# Altium PCB micromouse pcb.PcbDoc (part 2 of 2)
Units mil, origin at the board's own origin, x right, y up, seen from the top; angles counter-clockwise.
Board outline 3247.49 x 3543.31 mil, 2 copper layers (Top Layer, Bottom Layer); 164 components, 144 nets, 714 pads, 177 vias.
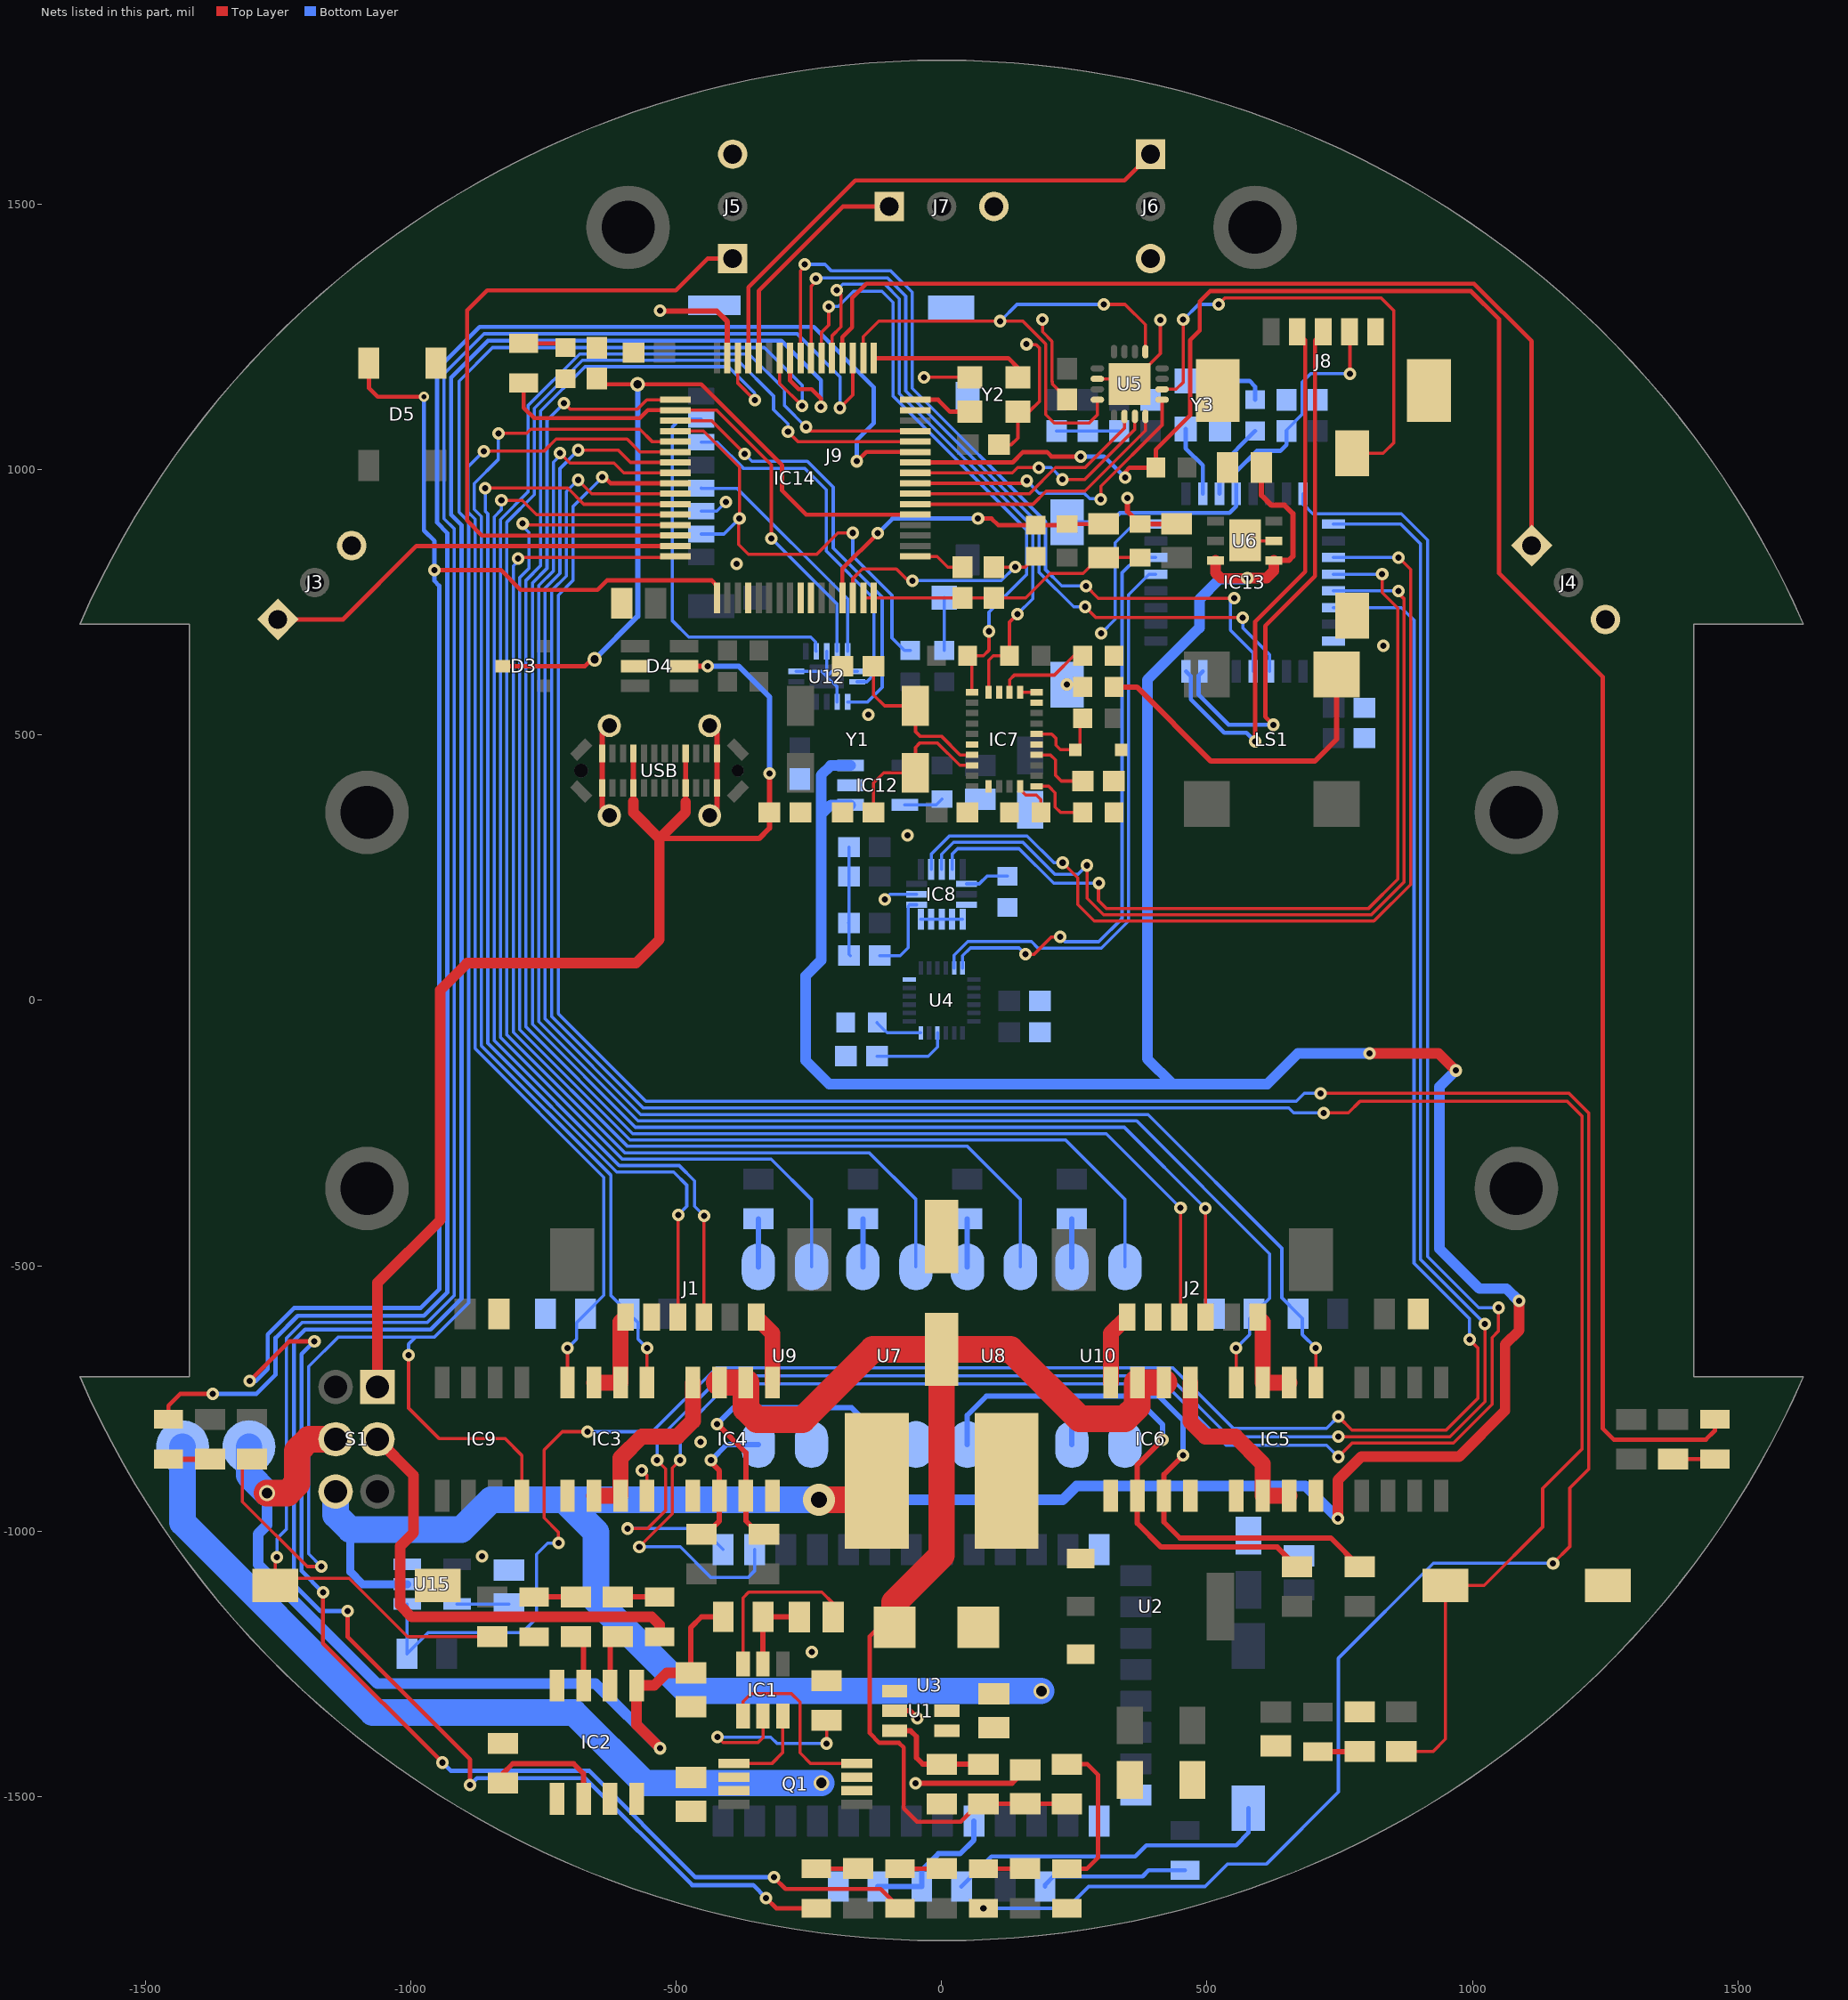
[diagram p2: the nets of this part, all layers, seen from the top]

## Via types
v1: diameter 23.62, hole 11.81, Top Layer to Bottom Layer, 80 vias
v2: diameter 23.62, hole 11.81, Top Layer to Bottom Layer, tented top, 37 vias
v3: diameter 23.62, hole 11.81, Top Layer to Bottom Layer, tented bottom, 27 vias
v4: diameter 23.62, hole 11.81, Top Layer to Bottom Layer, tented both sides, 26 vias
v5: diameter 30, hole 20, Top Layer to Bottom Layer, tented both sides, 3 vias
v6: diameter 27.56, hole 15.75, Top Layer to Bottom Layer, 2 vias
v7: diameter 18.9, hole 9.06, Top Layer to Bottom Layer, tented both sides, 1 vias
v8: diameter 60, hole 30, Top Layer to Bottom Layer, 1 vias

## Nets (pads, with @x,y where several pads share a name; then routed paths per layer and width w, separated by ;. In a path a pad name is that pad's centre, name@x,y a point inside that pad or via, vN(x,y) a via of type N, cw(c..) or ccw(c..) an arc to the next point about the centre after c; other vN are vias at no path point) (continued)
GND: C1.2 C2.2 C4.2 C5.1 C6.2 C7.2 C8.1 C9.1 C10.2 C11.1 C12.2 C13.2 C14.1 C15.1 C16.1 C17.1 C18.1 C19.1 C20.2 C21.2 C22.2 C23.2 C24.1 C25.1 C26.1 C27.1 C28.1 C29.1 C31.1 C34.1 C35.1 C36.1 C37.1 C38.1 C39.1 C40.1 C41.1 C42.1 C43.1 C44.1 C45.1 C46.1 C47.1 D4.2 D5.1 FB5.1 IC2.1 IC2.3 IC3.1 IC3.4 IC4.5 IC4.8 IC5.1 IC5.4 IC6.5 IC6.8 IC7.2 IC7.10 IC7.15 IC7.16 IC7.18 IC7.25 IC8.8 IC8.9 IC8.10 IC8.11 IC8.12 IC8.13 IC8.15 IC12.2 IC13.16 IC13.32 IC14.4 IC14.31 IC14.47 J1.5 J2.5 J3.3 J4.3 J5.3 J6.3 J7.3 J8.5 J8.S1 J8.S2 J9.6 J9.P1 J9.P3 J9.P4 LED3.1 Q1.6 Q1.7 R1.1 R4.2 R8.1 R9.2 R21.1 R22.1 R23.1 R24.1 R33.1 R35.1 R47.1 R48.1 SW1.1 SW2.1 SW4.2 SW5.1 U1.2 U2.1 U3.13 U3.21 U3.22 U4.18 U5.2 U5.17 U6.2 U6.7 U7.3 U8.3 U9.3 U10.3 U12.1 U12.4 U12.7 U12.10 U15.3 USB.1 USB.2 USB.7 USB.8 USB.A1 USB.A12 USB.B1 USB.B12 Y2.2 Y2.4 Y3.2 Y3.4 | length 2880
  Top Layer w6: v2(-565,-885.5) -554.92,-895.58 IC3.4@-554.92,-933.54 ; v4(-33,1174.21) Y2.4@53.15,1174.21 ; C26.1@107.87,1047.24 131.24,1047.24 143.7,1059.7 Y2.2@143.7,1109.25 164.75,1109.25 184.13,1128.63 184.13,1229.37 178,1235.5 161,1235.5 v1(160,1236.5) ; IC7.16@147.64,580.71 IC7.15@179.13,580.71 ; v1(190,1283) 190,1259.88 208.13,1241.76 208.13,1166.35 208.5,1165.98 208.5,1161.38 236.22,1133.66 C28.1@236.22,1132.28 ; v1(236.22,595.03) 261.27,595.03 R24.1@265.75,590.55 ; U5.2@293.31,1171.26 319.24,1171.26 329.08,1161.42 U5.17@354.33,1161.42 412,1219.09 v1(412,1282) ; U6.7@571.87,867.14 572.87,866.14 U6.2@625.87,866.14
  Top Layer w10: USB.2@-625.98,348.43 -639.76,362.2 USB.A12@-639.76,400.39 USB.B1@-639.76,465.75 -639.76,503.94 USB.8@-625.98,517.72 ; v3(-530.59,1299.8) -529.8,1299.02 -423.54,1299.02 -403.54,1279.02 IC14.47@-403.54,1210.16 ; USB.1@-437.01,348.43 -423.23,362.2 USB.A1@-423.23,400.39 USB.B12@-423.23,465.75 -423.23,503.94 USB.7@-437.01,517.72 ; U1.2@-88.58,-1338.58 -59.92,-1338.58 v3(-46,-1352.5) ; v3(-49,-1475) 132.48,-1475 C5.1@157.48,-1450 ; v1(350,946.5) 350,921.65 FB5.1@374.02,897.64 442.52,897.64 C29.1@442.91,898.03
  Bottom Layer w6: J9.6@-452.87,922.09 -423.43,922.09 v4(-406.65,938.86) ; U12.1@-274.02,620.08 -226.38,620.08 -216.54,610.24 ; U12.4@-216.54,657.87 -216.54,610.24 ; -216.49,610.24 -196.85,590.6 U12.10@-196.85,562.6 ; C16.1@-175.13,146 -174.65,145.51 -174.65,87.01 C12.2@-172.13,84.5 ; C16.1@-174.65,146 C15.1@-174.65,233.67 C17.1@-174.65,289 ; U12.7@-159.06,620.08 -206.69,620.08 -216.54,610.24 ; v3(-107,190.5) -97.5,200 IC8.15@-47.24,200 ; IC8.13@-39.37,152.76 IC8.12@-19.69,152.76 IC8.11@0,152.76 IC8.10@19.69,152.76 IC8.9@39.37,152.76 ; C38.1@216.54,1073.23 C39.1@275.59,1073.23 C40.1@334.65,1073.23 ; v3(300.5,691.5) 327,718 327,862.5 362.14,897.64 IC13.32@403.54,897.64
  other v1: -866,-1047.5 -64.5,311 832.5,668
  other v2: -454,-832 -138,538
  other v3: -244.5,-1227.5
  other v4: -386,822.5
GYRESET: D2.C
INT: R27.1
INT_3V: IC7.14
INT_STM: R49.1
IR_BACK: IC14.9
IR_FRONT: IC14.44 J7.1 | length 438.9
  Top Layer w8: IC14.44@-344.49,1210.16 -344.49,1337.2 -185.63,1496.06 J7.1@-98.43,1496.06
IR_FRONT_B: IC14.10
IR_LEFT: IC14.62 J5.1 | length 1341.1
  Top Layer w8: IC14.62@-501.5,875.98 -865.98,875.98 -894,904 -894,1300.5 -856.43,1338.07 -500.55,1338.07 -440.98,1397.64 J5.1@-393.7,1397.64
IR_LEFT_S: IC14.63 J3.1 | length 806.6
  Top Layer w8: J3.1@-1250.7,717.8 -1127.7,717.8 -989.2,856.3 IC14.63@-501.5,856.3
IR_RIGHT: IC14.45 J6.1 | length 995.3
  Top Layer w8: IC14.45@-364.17,1210.16 -364.17,1343.62 -162.72,1545.08 344.29,1545.08 J6.1@393.7,1594.49
IR_RIGHT_S: IC14.36 J4.1 | length 1842.5
  Top Layer w8: IC14.36@-187.01,1210.16 -187.01,1249.99 -168.5,1268.5 -168.5,1324 -142,1350.5 1003.15,1350.5 1111.51,1242.15 J4.1@1111.51,857
L_C: IC3.8 IC14.54 R47.2 | length 2282.6
  Top Layer w6: v1(-862.86,1034.84) -749.35,1034.84 -726.53,1057.66 -592.66,1057.66 -568.46,1033.46 IC14.54@-501.5,1033.46 ; IC3.8@-704.92,-720 v1(-704.92,-655)
  Bottom Layer w6: v1(-862.86,1034.84) -892.65,1005.05 -892.65,920.37 -879.02,906.74 -879.02,-90.43 -636.38,-333.07 -636.38,-555.67 R47.2@-671.26,-590.55 -687.94,-607.24 -687.94,-638.02 v1(-704.92,-655)
L_CS: IC3.5 IC14.53 R45.2 | length 2288.4
  Top Layer w6: v1(-834.97,1068.46) -781.57,1068.46 -773.98,1076.06 -568.43,1076.06 -545.51,1053.15 IC14.53@-501.5,1053.15 ; IC3.5@-554.92,-720 v2(-554.92,-655)
  Bottom Layer w6: v1(-834.97,1068.46) -834.97,1019.7 -880.65,974.01 -880.65,925.34 -867.02,911.71 -867.02,-85.46 -622.83,-329.65 -622.83,-556.3 R45.2@-588.58,-590.55 -571.9,-607.24 -571.9,-638.02 v2(-554.92,-655)
L_INA: IC14.28 U7.2 | length 3070
  Top Layer w6: v4(-289.37,1071.38) -271.14,1053.15 IC14.28@-49.69,1053.15
  Bottom Layer w6: v4(-289.37,1071.38) -289.37,1086.14 -316.61,1113.39 -316.61,1138.78 -383.92,1206.09 -677.01,1206.09 -767.46,1115.64 -767.46,952.85 -819.02,901.3 -819.02,-64.74 -596.78,-286.97 -136.33,-286.97 -48.43,-374.87 U7.2@-48.43,-501.97
L_INA_O: IC4.7 R17.1 U7.4 | length 593.7
  Top Layer w10: v2(-423,-798) -368.7,-852.3 IC4.7@-368.7,-933.54 -368.7,-980.71 -343.5,-1005.9 R17.1@-334.64,-1005.9
  Bottom Layer w10: v2(-423,-798) -392.5,-767.5 -169.5,-767.5 -148.43,-788.57 U7.4@-148.43,-836.61
L_INB: IC14.29 U9.2 | length 2898.9
  Top Layer w6: v4(-255.75,1080.51) -248.07,1072.83 IC14.29@-49.69,1072.83
  Bottom Layer w6: v4(-255.75,1080.51) -296.26,1121.02 -296.26,1151.18 -363.17,1218.09 -681.98,1218.09 -779.46,1120.61 -779.46,957.82 -831.02,906.27 -831.02,-69.71 -601.76,-298.97 -321.18,-298.97 -245.28,-374.87 U9.2@-245.28,-501.97
L_INB_O: IC4.6 R18.1 U9.4 | length 266.8
  Top Layer w10: R18.1@-452.76,-1005.9 -443.9,-1005.9 -418.7,-980.71 IC4.6@-418.7,-933.54 -418.7,-885.99 -434.5,-870.19 v2(-434.5,-866.5)
  Bottom Layer w10: v2(-434.5,-866.5) -404.61,-836.61 U9.4@-345.28,-836.61
LED1: IC14.41 LED5.1 | length 4792.2
  Top Layer w8: v2(-1119,-1150.5) -1119,-1199.5 -888.5,-1430 v1(-888.5,-1478.5) ; v1(-330.75,-1691.46) -311.57,-1710.63 LED5.1@-236.22,-1710.63 ; IC14.41@-285.43,1210.16 -285.43,1167.56 -269.49,1151.61 -244.88,1151.61 -227.4,1134.13 v4(-227.4,1118.74)
  Bottom Layer w8: v2(-1119,-1150.5) -1170.5,-1150.5 -1220,-1101 -1220,-640.67 -1199.35,-620.02 -962.61,-620.02 -904.68,-562.09 -904.69,895.59 -924.13,915.04 -924.13,1173.86 -854.91,1243.09 -302.22,1243.09 -227.4,1168.27 v4(-227.4,1118.74) ; v1(-888.5,-1478.5) -875.5,-1465.5 -671.5,-1465.5 -470,-1667 -355.2,-1667 v1(-330.75,-1691.46)
LED2: D5.2 IC14.1 LED6.1 | length 4942.5
  Top Layer w8: v1(-1303.54,-716.89) -1228.86,-642.2 v1(-1181.65,-642.2) ; v2(-1165.5,-1115.5) -1165.5,-1211 v1(-940.5,-1436) ; D5.2@-1078.99,1200.85 -1078.99,1153.99 -1062.5,1137.5 v7(-975.5,1137.5) ; v3(-955.51,810.94) -830.51,810.94 -793.07,773.5 -648.27,773.5 -630.39,791.38 -433.13,791.38 -423.23,781.48 IC14.1@-423.23,758.35 ; v1(-316,-1652) -294,-1674 -115.37,-1674 LED6.1@-78.74,-1710.63
  Bottom Layer w8: v1(-1303.54,-716.89) -1291.61,-716.89 -1269.65,-694.92 -1269.65,-629.33 -1219.61,-579.29 -981.5,-579.29 -946.61,-544.41 -946.61,781.38 -955.51,790.28 v3(-955.51,810.94) -955.51,865.51 -975.5,885.5 v7(-975.5,1137.5) ; v1(-1181.65,-642.2) -1206,-666.55 -1206,-1075 v2(-1165.5,-1115.5) ; v1(-940.5,-1436) -925,-1451.5 -664,-1451.5 -463.5,-1652 v1(-316,-1652)
LED3: IC14.57 LED7.1 | length 5585.9
  Top Layer w6: v1(713.82,-174.92) 1181.92,-174.92 1219.5,-212.5 1219.5,-882.5 1183.5,-918.5 1183.5,-1029 v2(1152,-1060.5)
  Top Layer w8: v1(-639.25,985.83) -635.02,985.83 -623.61,974.41 IC14.57@-501.5,974.41
  Bottom Layer w6: v1(-639.25,985.83) -694.33,930.75 -694.33,791.57 -722.28,763.62 -722.28,-25.08 -557.24,-190.12 668.39,-190.12 683.58,-174.92 v1(713.82,-174.92) ; v1(78.74,-1710.63) 235.87,-1710.63 277,-1669.5 496.5,-1669.5 538.5,-1627.5 611.5,-1627.5 747.5,-1491.5 747.5,-1239.5 926.5,-1060.5 v2(1152,-1060.5)
LED4: IC14.27 LED8.1 | length 3600.3
  Top Layer w8: LED8.1@-1456.69,-789.37 -1456.69,-763.46 -1434.61,-741.38 v1(-1372.87,-741.38) ; v4(-159.86,1015.94) -159.25,1015.94 -141.73,1033.46 IC14.27@-49.69,1033.46
  Bottom Layer w8: v1(-1372.87,-741.38) -1291.22,-741.38 -1254.88,-705.04 -1254.88,-635.83 -1213.07,-594.02 -975.24,-594.02 -931.46,-550.24 -931.46,881.06 -950.4,900 -950.4,1189.09 -870.4,1269.09 -240.98,1269.09 -128,1156.11 -128,1087.36 -159.86,1055.5 v4(-159.86,1015.94)
LED5: IC14.26 LED9.1 R36.1 | length 3856.1
  Top Layer w8: IC14.26@-49.69,1013.78 133.66,1013.78 153.15,1033.27 198.39,1033.27 206.82,1024.83 v1(261.66,1024.83) ; v1(345.83,985.16) 345.83,995.79 353.98,1003.94 R36.1@403.54,1003.94 403.54,1037.54 468.2,1102.2 468.2,1243.94 486.32,1262.07 486.32,1317.15 505.68,1336.5 997.35,1336.5 1049.97,1283.89 1049.97,805.19 1245.63,609.53 1245.63,-806.97 1266.22,-827.56 1440,-827.56 1456.69,-810.87 LED9.1@1456.69,-789.37
  Bottom Layer w8: v1(261.66,1024.83) 306.15,1024.83 v1(345.83,985.16)
LENCH_A: IC14.59 J1.4 | length 2159.8
  Top Layer w6: v1(-859.84,965.39) -704.45,965.39 -674.1,935.04 IC14.59@-501.5,935.04 ; J1.4@-497.05,-596.46 -496.3,-595.71 v1(-496.3,-404.13)
  Bottom Layer w6: v1(-859.84,965.39) -859.84,921.5 -855.02,916.68 -855.02,-80.49 -612.46,-323.06 -505.17,-323.06 -480.2,-348.03 -480.2,-388.03 v1(-496.3,-404.13)
LENCH_B: IC14.60 J1.3 | length 2113.4
  Top Layer w6: v1(-829.45,942.36) -790.2,942.36 -763.19,915.35 IC14.60@-501.5,915.35 ; J1.3@-447.72,-596.34 v1(-447.72,-405.59)
  Bottom Layer w6: v1(-829.45,942.36) -829.45,924.8 -843.02,911.23 -843.02,-75.52 -607.49,-311.06 -494.42,-311.06 -465.63,-339.84 -465.63,-387.68 v1(-447.72,-405.59)
MISO: IC14.52 J9.7 R50.1 | length 891.1
  Top Layer w6: IC14.52@-501.5,1072.83 -448.62,1072.83 -380.87,1005.08 v4(-380.87,908.03) -382.31,906.59 -382.31,858.93 -364.29,840.91 -235.24,840.91 -195.24,880.91 v4(-167.4,880.91)
  Bottom Layer w6: J9.7@-452.87,878.78 -410.12,878.78 v4(-380.87,908.03) ; v4(-167.4,880.91) -167.4,871 -167.4,837.26 -93.58,763.44 -93.58,683.08 -70.03,659.53 R50.1@-59.13,659.53
MISO_STM: IC8.4 IC13.12 | length 1639.9
  Top Layer w6: v1@295.5,220.5 295.5,188 310,173.5 804.5,173.5 859.5,228.5 859.5,739 830,768.5 v2(830,803.15)
  Bottom Layer w6: IC8.4@19.69,247.24 19.69,275.72 29.97,286 146,286 211,221 v1(296,221) ; IC13.12@738.19,803.15 v2(830,803.15)
MOSI: IC14.51 U12.9 | length 841.1
  Top Layer w6: IC14.51@-501.5,1092.52 -433.78,1092.52 v4(-371.26,1030)
  Bottom Layer w6: v4(-371.26,1030) -357.26,1016 -253,1016 -204.25,967.25 -204.25,852.25 -112,760 -112,590 -139.4,562.6 U12.9@-177.17,562.6
MOSI_STM: IC8.3 IC13.13 | length 1716.7
  Top Layer w6: v1(274,254.5) 274,192.53 305.03,161.5 809.47,161.5 871.5,223.53 871.5,756.39 861,766.89 v1(861,771.65)
  Bottom Layer w6: IC8.3@0,247.24 0,275.72 22.28,298 153,298 213,238 257.5,238 v1(274,254.5) ; IC13.13@738.19,771.65 v1(861,771.65)
"Motor Power": C4.1 C5.2 D1.C IC4.2 IC4.3 IC6.2 IC6.3 R6.2 R7.2 | length 2377.5
  Top Layer w8: D1.C@-88.58,-1181.1 -118.6,-1181.1 -135.5,-1198 -135.5,-1380.8 -117.5,-1398.8 -80.2,-1398.8 -71.5,-1407.5 -71.5,-1522.5 -46.5,-1547.5 36.16,-1547.5 R7.2@69.88,-1513.78 ; R7.2@78.74,-1513.78 C5.2@157.48,-1513.78 R6.2@236.22,-1513.78
  Top Layer w10: R7.2@69.88,-1513.78 R7.2@78.74,-1513.78
  Top Layer w50: IC4.3@-418.7,-720 IC4.2@-368.7,-720 -368.7,-768.8 -347.5,-790 -262,-790 -129.48,-657.48 C4.1@0,-657.48 ; D1.C@-88.58,-1181.1 -88.58,-1134.08 0,-1045.5 C4.1@0,-657.48 ; IC6.2@418.7,-720 IC6.3@368.7,-720 368.7,-764.8 345.5,-788 260,-788 129.48,-657.48 C4.1@0,-657.48
NetC1_1: C1.1 IC2.5 pad.B+ R5.2 S1.5 | length 1754.4
  Top Layer w10: C1.1@-472.44,-1267.32 -472.44,-1181.26 -452.6,-1161.42 R5.2@-411.42,-1161.42
  Top Layer w20: v3(-530.39,-1409.13) -574.61,-1364.92 IC2.5@-574.61,-1290.87 -541.69,-1290.87 -518.15,-1267.32 C1.1@-472.44,-1267.32
  Top Layer w50: v5(-1271.18,-928.23) -1232.56,-928.23 -1214.29,-909.96 -1214.29,-849.02 -1192.05,-826.77 S1.5@-1141.73,-826.77
  Bottom Layer w20: v5(-1271.18,-928.23) -1271.18,-988.63 -1287.68,-1005.13 -1287.68,-1062.82 -1063,-1287.5 -652.03,-1287.5 v3(-530.39,-1409.13)
  Bottom Layer w50: pad.B+@-1305,-841 -1305,-894.41 v5(-1271.18,-928.23)
NetC3_1: C3.1 IC1.5 R5.1 | length 157.1
  Top Layer w10: IC1.5@-336.61,-1250 R5.1@-336.61,-1161.42 C3.1@-268.11,-1161.42
NetC3_2: C3.2 IC1.6 pad.B- Q1.2 Q1.3 | length 1881.9
  Top Layer w6: IC1.6@-374.02,-1250 -374.02,-1125.52 -363.5,-1115 -225.5,-1115 -204.33,-1136.17 C3.2@-204.33,-1161.42
  Bottom Layer w50: pad.B-@-1430,-841 -1430,-983.5 -1072,-1341.5 -693,-1341.5 -560,-1474.5 v5(-226.5,-1474.5)
NetC9_2: C9.2 IC7.27 Y1.4 | length 318
  Top Layer w6: C9.2@-128.35,354.33 -128.35,410.08 -109.29,429.13 Y1.4@-49.21,429.13 -49.21,476.97 -40.75,485.43 -8.43,485.43 34.09,442.91 IC7.27@57.09,442.91
NetC10_1: C10.1 IC7.26 Y1.1 | length 315
  Top Layer w6: C10.1@-128.35,629.92 -128.35,575.91 -107.56,555.12 Y1.1@-49.21,555.12 -49.21,506.34 -40.87,497.99 -0.55,497.99 34.84,462.6 IC7.26@57.09,462.6
NetC12_1: C12.1 IC8.14 | length 154.5
  Bottom Layer w6: C12.1@-116.38,84.5 -78,84.5 -63,99.5 -63,177.41 -60.09,180.31 IC8.14@-47.24,180.31
NetC14_2: C14.2 IC7.9 | length 124.2
  Top Layer w6: IC7.9@179.13,462.6 205.04,462.6 214.57,453.07 214.57,424.33 225.51,413.39 C14.2@266.14,413.39
NetC30_1: C30.1 C32.2 C33.2 FB5.2 IC14.15 IC14.16 | length 553.3
  Top Layer w6: IC14.15@-147.64,758.35 IC14.16@-127.95,758.35 -60.28,758.35 -60.2,758.27 C33.2@39.37,758.27 C32.2@98.43,758.27 158.27,758.27 204.45,804.45 266.46,804.45 296.26,834.25 C30.1@305.12,834.25 305.51,834.65 FB5.2@374.02,834.65
NetC30_2: C30.2 FB3.1 IC14.13 R34.2 | length 592.7
  Top Layer w8: IC14.13@-187.01,758.35 -187.01,813.74 v4(-120.39,880.35) ; v2(68.62,908.11) 94.06,908.11 106.5,895.67 R34.2@177.17,895.67 234.25,895.67 FB3.1@236.22,897.64 304.72,897.64 C30.2@305.12,898.03
  Bottom Layer w8: v4(-120.39,880.35) -92.64,908.11 v2(68.62,908.11)
NetC32_1: C32.1 IC14.14 R34.1 | length 452.7
  Top Layer w6: IC14.14@-167.32,758.35 -167.32,794.88 -149.39,812.81 -85.31,812.81 v4@-59.25,786.75 ; C32.1@98.43,816.54 137.5,816.54 157.09,816.54 R34.1@177.17,836.61
  Bottom Layer w6: v4(-55,791) 112.5,791 v1@137.5,816
  other v1: 139,816.54
NetC33_1: C33.1 IC14.17 | length 97.4
  Top Layer w6: IC14.17@-49.69,836.61 -8.23,836.61 11.85,816.54 C33.1@39.37,816.54
NetC34_2: C34.2 D3.3 IC14.21 | length 1464.3
  Top Layer w8: D3.3@-826.77,629.92 -671.75,629.92 -659.03,642.64 v6(-653.74,642.64) ; C34.2@-649.61,1171.65 -638.74,1160.79 -452.82,1160.79 -300.51,1008.49 -300.51,960.51 -255.35,915.35 IC14.21@-49.69,915.35
  Bottom Layer w10: v6(-653.74,642.64) -572.56,723.82 v6(-572.56,1160.79)
NetC35_2: C35.2 U4.10 | length 147.8
  Bottom Layer w6: C35.2@-121.87,-105 -25.5,-105 -7.87,-87.37 U4.10@-7.87,-60.83
NetC46_2: C46.2 U15.5 | length 97.8
  Bottom Layer w6: U15.5@-913.08,-1137.24 C46.2@-815.24,-1137.24
NetD1_A: D1.A L1.1 U1.1
NetD2_A: D2.A IC7.11 R28.2 | length 157.3
  Top Layer w6: IC7.11@179.13,501.97 207.36,501.97 215.43,493.9 215.43,481.06 224.06,472.44 D2.A@251.97,472.44 260.78,481.25 260.78,526.53 R28.2@265.75,531.5
NetFB2_1: FB2.1 IC12.5 | length 74.7
  Bottom Layer w6: IC12.5@-69.43,368.46 -10.3,368.46 FB2.1@0.71,379.46
NetIC1_1: IC1.1 Q1.4 | length 358.3
  Top Layer w6: IC1.1@-374.02,-1348.43 -374.02,-1321.02 -359,-1306 -283,-1306 -267,-1322 -267,-1417.41 -246.42,-1437.99 Q1.4@-159.92,-1437.99
NetIC1_2: IC1.2 R4.1 | length 389.5
  Top Layer w6: v3(-422.5,-1388) -412,-1398.5 -346,-1398.5 -336.61,-1389.11 IC1.2@-336.61,-1348.43 ; v3(-216.53,-1400) R4.1@-216.53,-1356.3
  Bottom Layer w6: v3(-422.5,-1388) -322,-1388 -310,-1400 v3(-216.53,-1400)
NetIC1_3: IC1.3 Q1.5 | length 169.4
  Top Layer w6: Q1.5@-391.26,-1437.99 -319.99,-1437.99 -299.21,-1417.21 IC1.3@-299.21,-1348.43
NetIC2_2: IC2.2 R1.2 | length 232.9
  Top Layer w10: R1.2@-826.77,-1474.41 -826.77,-1456.77 -808,-1438 -693.5,-1438 -674.61,-1456.89 IC2.2@-674.61,-1504.41
NetIC2_6: IC2.6 R3.1 | length 98
  Top Layer w10: IC2.6@-624.61,-1290.87 -624.61,-1213.19 R3.1@-610.24,-1198.82
NetIC2_7: IC2.7 R2.1 | length 98
  Top Layer w10: R2.1@-688.98,-1198.82 -674.61,-1213.19 IC2.7@-674.61,-1290.87